# Allegro board 038RT-9068CJK8E-A100_0921_1.brd (continued)
## Routing (per net, layer and track width the routed paths; a pad name or vN(x,y) marks a point on that pad's centre or on a via; arc(x,y) is an arc through that point) (continued)
SH22_C_HSO+: length 4.1
  TOP w0.14: 228.77,428.55 228.77,429.73 227.44,431.06 227.44,431.62 UNK2HOST2.68
  TOP w0.15: 228.77,428.55 228.91,428.41 UNK2CH268.2
SH22_C_HSO-: length 4.1
  TOP w0.14: UNK2HOST2.67 227.05,431.62 227.05,430.89 228.38,429.57 228.38,428.55
  TOP w0.15: 228.38,428.55 228.24,428.41 UNK2CH267.2
SH22_C_P7_HSI+: length 5.2
  BOTTOM w0.14: UNK2CS114.1 244.54,248.16 244.68,248.02 247.64,248.02 247.89,248.27 249.22,248.27 UNK2K213.29
SH22_C_P7_HSI-: length 5.2
  BOTTOM w0.14: UNK2CS113.1 244.54,247.49 244.68,247.63 247.8,247.63 248.05,247.88 249.22,247.88 UNK2K213.28
SH22_CC1: length 7.2
  TOP w0.115: v2(217.99,444.06) 217.99,443.37 219.68,441.68 221.77,441.68 222.65,440.81 UNK2HOST2.30
SH22_CC2: length 7.3
  TOP w0.115: v2(216.72,444.06) 216.72,443.88 219.46,441.15 221.55,441.15 221.85,440.85 UNK2HOST2.32
SH22_D_GPIO_VBUS: length 10.9
  TOP w0.115: v2(219.86,449.12) 220.51,449.12 223.15,446.48 223.15,443.18 223.45,442.88 UNK2HOST2.28
  vias: v2(219.86,451.66)
SH22_D_SJTCLK: length 7.6
  TOP w0.115: UNK2HOST2.5 229.47,434.24 230.72,432.99 231.1,432.99 231.8,432.3 231.8,430.2 232.43,429.56 v2(232.94,429.56)
SH22_D_SJTDI: length 5.5
  TOP w0.115: UNK2HOST2.6 229.71,434.64 230.85,433.5 231.55,433.5 v2(232.94,432.1)
SH22_D_SJTDO: length 8.8
  TOP w0.115: UNK2HOST2.9 229.08,435.84 229.13,435.79 230.47,435.79 231.23,435.03 232.88,435.03 235.48,432.42 v2(235.48,432.1)
SH22_D_SJTMS: length 10.6
  TOP w0.115: UNK2HOST2.8 230.18,435.44 231.1,434.52 232.53,434.52 234.79,432.25 234.79,430.26 v2(235.48,429.56)
SH22_DEV_SLP: length 15.4
  BOTTOM w0.115: UNK2RH2262.2 222.15,451.02 222.15,453.83 221.08,454.9 216,454.9 UNK2RH2263.2
SH22_DIS_DB: length 1.3
  TOP w0.115: v2(223.39,438.95) 223.05,439.29 UNK2HOST2.29
SH22_GPIO8: length 37.2
  L05_SIGNAL w0.105: v2(238.02,430.83) 238.74,431.56 247.28,431.56 249.34,433.62 v2(249.34,458.39)
SH22_GPIO_VBUS: length 18.8
  L05_SIGNAL w0.105: v2(235.37,458.39) 227.37,450.39 v2(219.86,450.39)
SH22_ISOLATEBPIN: length 14
  TOP w0.115: v2(238.02,429.56) 237.35,430.24 237.35,432.46 233.77,436.04 231.48,436.04 231.04,436.49 229.7,436.49 229.15,437.04 UNK2HOST2.12
SH22_L_SWR_5TO1_OUT: length 29.1
  TOP w0.203: UNK2HOST2.2 229.39,433.04 230.26,432.18 230.26,431.21 229.88,430.83 v2(229.63,430.83)
  TOP w0.3: v2(223.67,430.58) 223.93,430.58 224.25,430.9 UNK2HOST2.60 ; UNK2HOST2.25 v2(224.65,438.95) ; UNK2HOST2.11 v2(227.35,436.64) ; UNK2HOST2.55 222.25,430.86 v2(222.53,430.58) ; v2(218.96,439.49) 219.32,439.49 219.76,439.04 UNK2HOST2.35 ; v2(225.2,429.82) 225.45,430.07 UNK2HOST2.63
  TOP w0.508: SH22_L_SWR_5TO1_OUT.1 247.71,439.49 242.89,434.68 240.65,434.68 v2(239.66,435.67)
  BOTTOM w0.292: UNK2CH2352.1 v2(218.96,439.49)
  BOTTOM w0.508: UNK2CH2552.1 222.67,430.44 v2(222.53,430.58) ; UNK2CH2602.1 223.91,430.34 v2(223.67,430.58)
  vias: v2(205.12,430.68) v2(206.39,430.68) v2(207.66,430.68) v2(215.72,441.63) v2(224.57,421.69) v2(224.57,420.93) v2(230.15,448.68) v2(239.66,436.43)
SH22_LANWAKEB: length 13.9
  TOP w0.115: UNK2HOST2.10 229.2,436.24 229.27,436.17 230.72,436.17 231.36,435.53 233.32,435.53 236.24,432.61 236.24,432.61 v2(236.75,432.1)
  BOTTOM w0.115: UNK2RH2103.2 237.39,430.41 237.39,431.47 237.89,431.97 ; UNK2RH2101.2 237.89,431.97 ; 237.89,431.97 UNK2RH2102.2
SH22_LDO_5TO3_OUT: length 21.8
  TOP w0.203: v2(229.63,431.98) 228.96,432.64 UNK2HOST2.1
  TOP w0.3: UNK2HOST2.34 221.05,439.01 v2(221.1,438.95) ; UNK2HOST2.52 v2(221.05,432.74) ; v2(218.96,437.84) 218.96,437.74 219.26,437.44 UNK2HOST2.39 ; UNK2HOST2.4 v2(227.35,433.84) ; UNK2HOST2.20 v2(226.65,438.95)
  TOP w0.508: SH22_LDO_5TO3_OUT.1 235.37,455.22 232.47,452.32 232.47,445.81 232.11,445.45 231.15,445.45 v2(230.15,446.46)
  BOTTOM w0.508: UNK2CH252.1 v2(221.05,432.74)
  vias: v2(215.72,439.6) v2(219.63,444.06) v2(219.86,452.93) v2(221.39,452.93) v2(222.91,452.93) v2(229.02,422.83) v2(232.65,425.41) v2(234.21,428.29) v2(236.75,428.29) v2(239.42,430.83) v2(240.94,430.83) v2(242.34,432.1) v2(243.1,432.1)
SH22_LED1: length 16.4
  BOTTOM w0.115: UNK2RH2272.2 220.62,451.02 220.62,453.77 220.13,454.27 214.09,454.27 UNK2RH2273.2
SH22_P7_CLKREQB: length 102.6
  TOP w0.115: v2(239.42,432.1) 234.97,436.55 231.55,436.55 231.29,436.8 229.89,436.8 229.25,437.44 UNK2HOST2.13
  L11_SIGNAL w0.102: 280.73,433.8 283.27,433.8 284.5,432.57 289.6,432.57 290.43,433.4
  L11_SIGNAL w0.105: UNK2K211.7 318.77,423.79 318.77,425.94 317.59,427.12 312.78,427.12 306.5,433.4 290.43,433.4 ; 280.73,433.8 277.5,433.8 276.33,432.63 258.63,432.63 257.13,434.14 247.22,434.14 246.1,433.02 240.33,433.02 v2(239.42,432.1)
SH22_P7_HSI+: length 221.7
  TOP w0.14: v1(243.53,248.41) 243.78,248.16 arc(243.94,248.05) 244.12,248.02 244.21,248.02 arc(244.31,248.06) 244.35,248.16 244.35,249.18 arc(244.33,249.3) 244.26,249.4 243.93,249.73 arc(243.82,249.8) 243.71,249.82 241.28,249.82 arc(241.01,249.88) 240.79,250.03 236.73,254.08 arc(236.63,254.15) 236.51,254.17 230.79,254.17 arc(230.67,254.15) 230.57,254.08 229.98,253.5 arc(229.75,253.35) 229.49,253.29 225.39,253.29 arc(225.13,253.35) 224.9,253.5 224.49,253.9 arc(224.39,253.97) 224.27,253.99 223.97,253.99 arc(223.7,254.05) 223.47,254.2 216.9,260.77 arc(216.62,261.19) 216.52,261.69 216.52,293.38 arc(216.66,294.08) 217.06,294.68 217.48,295.1 239.8,317.41 arc(239.86,317.51) 239.89,317.63 239.89,398.67 arc(239.77,399.24) 239.45,399.72 239.34,399.84 227.51,411.66 arc(227.36,411.89) 227.31,412.16 227.31,412.78 arc(227.28,412.9) 227.22,412.99 227.2,413.01 arc(227.13,413.12) 227.1,413.25 227.1,413.32 arc(227.13,413.45) 227.2,413.55 227.22,413.57 arc(227.28,413.67) 227.31,413.79 227.31,413.9 arc(227.28,414.02) 227.22,414.11 227.2,414.13 arc(227.12,414.26) 227.09,414.4 arc(227.12,414.55) 227.2,414.67 227.22,414.69 arc(227.28,414.79) 227.31,414.91 227.31,415.02 arc(227.28,415.14) 227.22,415.23 227.2,415.25 arc(227.12,415.38) 227.09,415.52 arc(227.12,415.67) 227.2,415.79 227.22,415.81 arc(227.28,415.91) 227.31,416.03 227.31,416.14 arc(227.28,416.26) 227.22,416.35 227.2,416.37 arc(227.12,416.5) 227.09,416.64 arc(227.12,416.79) 227.2,416.91 227.22,416.93 arc(227.28,417.03) 227.31,417.15 227.31,417.26 arc(227.28,417.38) 227.22,417.47 227.2,417.49 arc(227.12,417.62) 227.09,417.76 227.09,417.76 arc(227.12,417.91) 227.2,418.03 227.22,418.05 arc(227.28,418.15) 227.31,418.26 227.31,423.26 arc(227.28,423.38) 227.21,423.48 226.06,424.64 arc(225.9,424.87) 225.85,425.14 225.85,431.62 UNK2HOST2.64
SH22_P7_HSI-: length 221.7
  TOP w0.14: UNK2HOST2.65 226.24,431.62 226.24,425.14 arc(226.27,425.02) 226.33,424.92 227.49,423.76 arc(227.64,423.53) 227.7,423.26 227.7,412.16 arc(227.72,412.04) 227.79,411.94 239.73,400 arc(240.13,399.39) 240.28,398.67 240.28,317.63 arc(240.22,317.37) 240.07,317.14 217.76,294.83 217.34,294.4 arc(217.02,293.93) 216.91,293.38 216.91,261.69 arc(216.98,261.34) 217.18,261.05 223.75,254.48 arc(223.85,254.41) 223.97,254.38 224.27,254.38 arc(224.54,254.33) 224.77,254.18 225.17,253.77 arc(225.28,253.71) 225.39,253.68 229.49,253.68 arc(229.61,253.71) 229.71,253.77 230.29,254.36 arc(230.52,254.51) 230.79,254.56 236.51,254.56 arc(236.78,254.51) 237.01,254.36 241.06,250.3 arc(241.16,250.24) 241.28,250.21 243.71,250.21 arc(243.97,250.16) 244.2,250.01 244.53,249.67 arc(244.69,249.45) 244.74,249.18 244.74,248.16 arc(244.58,247.78) 244.21,247.63 244.19,247.63 arc(243.94,247.58) 243.74,247.44 v1(243.53,247.24)
SH22_P7_HSO+: length 227.3
  TOP w0.14: UNK2CH268.1 228.91,427.41 arc(228.81,427.37) 228.77,427.27 228.77,426.29 arc(228.82,426.03) 228.96,425.81 231.61,423.17 arc(231.8,422.88) 231.87,422.54 231.87,411.47 arc(231.89,411.35) 231.96,411.25 241.48,401.72 arc(241.99,400.97) 242.17,400.08 242.17,316.24 arc(242.11,315.97) 241.96,315.74 219.09,292.87 arc(219.02,292.77) 219,292.65 219,261.62 arc(219.02,261.5) 219.09,261.4 221.59,258.9 arc(221.69,258.83) 221.81,258.81 224.3,258.81 arc(224.56,258.75) 224.79,258.6 226.87,256.52 arc(226.97,256.45) 227.09,256.43 239,256.43 arc(239.26,256.38) 239.49,256.23 243.36,252.36 arc(243.46,252.29) 243.58,252.27 248.04,252.27 arc(248.31,252.22) 248.53,252.06 249.39,251.21 arc(249.54,250.98) 249.59,250.72 249.59,247.29 arc(249.54,247.02) 249.39,246.8 248.42,245.83 arc(248.19,245.68) 247.93,245.63 246.53,245.63 arc(246.45,245.61) 246.39,245.57 v1(246.31,245.49)
  BOTTOM w0.14: v1(246.31,245.49) 246.45,245.63 246.88,245.63 248.13,246.88 249.22,246.88 UNK2K213.26
SH22_P7_HSO-: length 227.3
  TOP w0.14: UNK2CH267.1 228.24,427.41 arc(228.34,427.37) 228.38,427.27 228.38,426.29 arc(228.46,425.88) 228.69,425.54 231.33,422.89 arc(231.44,422.73) 231.48,422.54 231.48,418.27 arc(231.46,418.16) 231.39,418.06 231.37,418.04 arc(231.31,417.94) 231.28,417.83 231.28,417.71 arc(231.31,417.6) 231.37,417.5 231.39,417.48 arc(231.46,417.38) 231.48,417.27 231.48,417.15 arc(231.46,417.04) 231.39,416.94 231.37,416.92 arc(231.3,416.81) 231.27,416.68 231.27,416.62 arc(231.3,416.49) 231.37,416.38 231.39,416.36 arc(231.46,416.27) 231.48,416.15 231.48,416.03 arc(231.46,415.92) 231.39,415.82 231.37,415.8 arc(231.29,415.68) 231.26,415.53 231.26,415.53 arc(231.29,415.39) 231.37,415.26 231.39,415.24 arc(231.46,415.15) 231.48,415.03 231.48,414.91 arc(231.46,414.8) 231.39,414.7 231.37,414.68 arc(231.29,414.56) 231.26,414.41 231.26,414.41 arc(231.29,414.27) 231.37,414.14 231.39,414.12 arc(231.46,414.03) 231.48,413.91 231.48,413.79 arc(231.46,413.68) 231.39,413.58 231.37,413.56 arc(231.26,413.29) 231.37,413.02 231.39,413 arc(231.46,412.91) 231.48,412.79 231.48,411.47 arc(231.53,411.2) 231.68,410.97 241.21,401.45 arc(241.63,400.82) 241.78,400.08 241.78,316.24 arc(241.75,316.12) 241.69,316.02 218.82,293.15 arc(218.66,292.92) 218.61,292.65 218.61,261.62 arc(218.66,261.35) 218.82,261.12 221.32,258.62 arc(221.54,258.47) 221.81,258.42 224.3,258.42 arc(224.41,258.39) 224.52,258.33 226.6,256.25 arc(226.82,256.09) 227.09,256.04 239,256.04 arc(239.12,256.02) 239.22,255.95 243.08,252.08 arc(243.31,251.93) 243.58,251.88 248.04,251.88 arc(248.16,251.86) 248.26,251.79 249.11,250.94 arc(249.18,250.83) 249.2,250.72 249.2,247.29 arc(249.18,247.17) 249.11,247.07 248.15,246.11 arc(248.05,246.04) 247.93,246.02 246.53,246.02 arc(246.45,246.03) 246.39,246.08 v1(246.31,246.15)
  BOTTOM w0.14: v1(246.31,246.15) 246.45,246.02 246.72,246.02 247.97,247.27 249.22,247.27 UNK2K213.27
SH22_P7_ISOLATEB: length 24.9
  L11_SIGNAL w0.105: UNK2K220.7 250.61,423.74 250.61,426.56 250.15,427.01 247.26,427.01 246.11,428.17 238.15,428.17 v2(238.02,428.29)
  BOTTOM w0.115: UNK2RS114.2 250.02,427.93 250.67,427.28 250.67,423.67 UNK2K220.7
SH22_P7_LANWAKEB: length 95.1
  L11_SIGNAL w0.105: v2(236.75,430.83) 237.39,430.2 237.39,427.48 237.59,427.28 240.72,427.28 243.08,424.92 243.08,416.43 243.89,415.62 310.96,415.62 312.33,416.99 312.33,420.7 UNK2K212.7
SH22_P7_PCIE_RESETB: length 39
  TOP w0.115: v2(240.94,432.1) 235.93,437.12 230.09,437.12 229.36,437.84 UNK2HOST2.14
  L11_SIGNAL w0.105: UNK2K221.7 256.65,423.9 256.65,428.8 255.82,429.63 248.63,429.63 246.69,431.57 241.48,431.57 v2(240.94,432.1)
SH22_P7_REFCLK_100M+: length 200.6
  TOP w0.105: v2(223.25,427.36) 223.4,427.5 223.4,429.41 224.65,430.65 UNK2HOST2.61
  L03_SIGNAL w0.136: v1(222.32,254.15) 222.26,254.09 arc(222.21,254.06) 222.16,254.05 221.06,254.05 arc(220.97,254.07) 220.9,254.12 219.37,255.64 arc(219.32,255.72) 219.3,255.8 219.3,291.99 arc(219.63,293.64) 220.57,295.05 236.2,310.68 arc(236.33,310.87) 236.38,311.1 236.38,403.49 arc(236.17,404.52) 235.59,405.39 227.39,413.59 arc(227.34,413.67) 227.32,413.75 227.32,425.25 arc(227.27,425.51) 227.12,425.73 224.56,428.29 arc(224.37,428.41) 224.15,428.46 223.99,428.46 arc(223.58,428.29) 223.41,427.87 223.41,427.61 223.4,427.54 arc(223.37,427.49) 223.34,427.44 v2(223.25,427.36)
  BOTTOM w0.105: v1(222.32,254.15) 222.42,254.05 223.98,254.05 226.23,251.8 227.05,251.8 UNK2K214.36
SH22_P7_REFCLK_100M-: length 200.6
  TOP w0.105: v2(224.01,427.36) 223.86,427.5 223.86,429.21 225.05,430.4 UNK2HOST2.62
  L03_SIGNAL w0.136: v1(222.32,253.49) 222.26,253.55 arc(222.21,253.59) 222.16,253.6 221.06,253.6 arc(220.8,253.65) 220.58,253.8 219.05,255.32 arc(218.9,255.54) 218.85,255.8 218.85,291.99 arc(219.21,293.82) 220.25,295.37 235.88,311 arc(235.91,311.05) 235.92,311.1 235.92,403.49 arc(235.75,404.35) 235.27,405.07 232.24,408.1 arc(232.16,408.15) 232.07,408.17 231.98,408.17 arc(231.84,408.2) 231.72,408.28 arc(231.65,408.4) 231.62,408.53 231.62,408.66 arc(231.61,408.72) 231.57,408.77 231.47,408.87 arc(231.39,408.92) 231.29,408.94 231.21,408.94 arc(231.07,408.97) 230.96,409.05 arc(230.88,409.16) 230.85,409.3 230.85,409.42 arc(230.84,409.49) 230.8,409.55 230.73,409.61 arc(230.62,409.68) 230.49,409.71 230.44,409.71 arc(230.3,409.74) 230.19,409.82 230.19,409.82 arc(230.11,409.93) 230.08,410.07 230.08,410.19 arc(230.07,410.26) 230.03,410.31 229.96,410.38 arc(229.85,410.45) 229.72,410.48 229.67,410.48 arc(229.53,410.51) 229.42,410.59 arc(229.34,410.7) 229.31,410.84 229.31,410.96 arc(229.3,411.02) 229.26,411.08 229.19,411.15 arc(229.08,411.22) 228.95,411.25 228.9,411.25 arc(228.77,411.28) 228.65,411.35 228.65,411.36 arc(228.57,411.47) 228.54,411.61 228.54,411.7 arc(228.52,411.79) 228.47,411.87 227.07,413.27 arc(226.92,413.49) 226.87,413.75 226.87,425.25 arc(226.85,425.33) 226.8,425.41 224.24,427.97 arc(224.2,428) 224.15,428.01 223.99,428.01 arc(223.9,427.97) 223.86,427.87 223.86,427.57 223.86,427.56 223.86,427.53 arc(223.88,427.5) 223.9,427.47 v2(224.01,427.36)
  BOTTOM w0.105: UNK2K214.35 227.05,251.34 226.04,251.34 223.79,253.59 222.42,253.59 v1(222.32,253.49)
SH22_RSET: length 1.3
  TOP w0.115: v2(218.96,431.99) 219.62,432.64 UNK2HOST2.51
SH22_RST_INPIN: length 9.1
  TOP w0.115: UNK2HOST2.3 229.7,433.44 231.16,431.98 231.16,428.33 v2(232.65,426.84)
SH22_SJTCLK: length 53.7
  L05_SIGNAL w0.105: v2(232.94,428.29) 232.94,427.86 233.67,427.13 248.73,427.13 252.01,430.42 252.54,430.42 259.5,437.37 v2(259.5,459.53)
SH22_SJTDI: length 53.2
  L05_SIGNAL w0.102: v2(232.94,430.83) 233.32,430.45
  L05_SIGNAL w0.105: 233.32,430.45 233.53,430.25 233.53,428.06 233.9,427.69 248.02,427.69 256.96,436.63 v2(256.96,459.53)
SH22_SJTDO/LED0: length 42.1
  L05_SIGNAL w0.105: v2(235.48,430.83) 236.15,430.16 247.05,430.16 251.1,434.21 251.1,451.42 251.88,452.2 v2(251.88,458.39)
SH22_SJTMS: length 46
  L05_SIGNAL w0.105: v2(235.48,428.29) 236.12,428.93 246.87,428.93 255.04,437.09 255.04,458.91 v2(254.42,459.53)
  BOTTOM w0.115: UNK2RH281.1 v2(235.48,428.29)
SH22_SPICK: length 54.5
  TOP w0.115: v2(254.42,450.31) UNK2SPIH21.6 ; UNK2HOST2.19 227.05,441.58 228.06,442.59 228.06,447.78 v2(226.72,449.12)
  L03_SIGNAL w0.145: v2(226.72,449.12) 226.72,451.91 230.83,456.03 247.36,456.03 250.31,453.07 255.2,453.07 255.52,452.76 255.52,452.22 255.18,451.88 253.02,451.88 252.58,451.45 252.58,450.67 252.93,450.32 254.41,450.32 v2(254.42,450.31)
SH22_SPICK_DBG: length 12.4
  BOTTOM w0.115: UNK2RH219.1 226.72,453.39 223.3,456.81 220.76,456.81 220.13,457.44 UNK2RH2192.2
SH22_SPICS: length 54.5
  TOP w0.115: v2(224.18,449.12) 225.52,447.78 225.52,443.1 225.05,442.62 UNK2HOST2.24 ; UNK2SPIH21.1 251.87,428.69 v2(252.15,428.41)
  L03_SIGNAL w0.145: v2(252.15,428.41) 242.09,438.47 236.78,438.47 229.68,445.58 228.7,445.58 227.92,446.36 226.94,446.36 v2(224.18,449.12)
SH22_SPICS_DBG: length 14.3
  BOTTOM w0.115: UNK2RH2241.1 224.18,453.39 222.03,455.54 217.9,455.54 UNK2RH2243.2
SH22_SPIO2: length 54.5
  TOP w0.115: v2(226.72,445.31) 227.43,444.6 227.43,442.72 226.25,441.54 UNK2HOST2.21 ; UNK2RH221.2 UNK2SPIH21.3
  L03_SIGNAL w0.145: v2(254.42,428.41) 253.37,427.36 249.82,427.36 247.29,429.9 247.29,431.33 244.34,434.28 231.43,434.28 228.77,436.94 228.77,438.24 227.28,439.74 227.28,442.24 227.67,442.64 227.67,444.36 v2(226.72,445.31)
SH22_SPIO3: length 54.5
  TOP w0.115: UNK2HOST2.22 225.85,441.9 226.72,442.77 v2(226.72,444.04) ; UNK2SPIH21.7 253.15,455.08 v2(253.15,455.08)
  L03_SIGNAL w0.145: v2(253.15,455.08) 253.15,454.5 252.6,453.96 250.9,453.96 247.8,457.06 230.18,457.06 223.56,450.43 223.56,447.21 v2(226.72,444.04)
SH22_SPISI: length 54.5
  TOP w0.115: v2(227.99,449.12) 228.7,448.41 228.7,442.47 227.45,441.21 UNK2HOST2.18 ; UNK2SPIH21.5 v2(255.69,450.31)
  L03_SIGNAL w0.145: v2(227.99,449.12) 227.99,450.98 231.89,454.88 246.31,454.88 250.56,450.63 250.56,446.73 251.51,445.78 254.97,445.78 255.69,446.49 v2(255.69,450.31)
SH22_SPISI_DBG: length 10.5
  BOTTOM w0.115: UNK2RH218.1 227.99,453.39 222.98,458.39 UNK2RH2182.2
SH22_SPISO: length 54.5
  TOP w0.115: UNK2SPIH21.2 253.14,433.12 v2(253.15,433.11) ; UNK2HOST2.23 225.45,442.26 226.09,442.91 226.09,448.48 v2(225.45,449.12)
  L03_SIGNAL w0.145: v2(253.15,433.11) 251.37,433.11 250.66,433.82 250.66,435.65 253.31,438.3 253.31,439.78 252.29,440.79 238.08,440.79 231.16,447.7 226.87,447.7 v2(225.45,449.12)
SH22_SPISO_DBG: length 13.1
  BOTTOM w0.115: UNK2RH223.1 225.45,453.39 222.67,456.17 219.81,456.17 UNK2RH2232.2
SH22_SWR_5TO1_OUT: length 2.7
  TOP w0.3: UNK2HOST2.16 231.1,438.64 v2(231.16,438.71)
  vias: v2(231.16,439.98) v2(232.43,439.98) v2(232.43,438.71)
SH22_TESTENPIN: length 9.8
  TOP w0.115: UNK2HOST2.7 229.94,435.04 230.97,434.01 231.99,434.01 233.9,432.1 v2(234.21,432.1)
  BOTTOM w0.115: UNK2RH272.2 234.08,431.97 233.58,431.47 233.58,430.41 UNK2RH271.2
SH22_USB_AVDD10: length 33.5
  TOP w0.292: 219.28,438.64 UNK2HOST2.36
  TOP w0.3: v2(218.96,433.26) 219.18,433.04 UNK2HOST2.50 ; v2(218.96,436.69) 219.32,437.04 UNK2HOST2.40
  TOP w0.381: 219,438.64 219.28,438.64
  TOP w0.508: 219,438.64 217.68,438.64 217.18,438.15 217.18,437.38 216.67,436.87 v2(216.32,436.87) 216.19,436.74 214.17,436.74 204.09,446.81 204.09,453.66 202.35,455.41 SH22_USB_AVDD10.1
SH22_XTAL_IN: length 6.4
  TOP w0.115: v2(218.28,428.68) 219.67,430.07 220.62,430.07 221.45,430.9 UNK2HOST2.53
  BOTTOM w0.115: v2(218.28,428.68) 218.28,427.88 UNK2YH21.3
SH22_XTAL_OUT: length 9.4
  TOP w0.115: v2(219.31,428.68) 220.07,429.44 220.75,429.44 221.85,430.53 UNK2HOST2.54
  BOTTOM w0.115: UNK2YH21.1 220.05,425.99 221.08,427.02 221.08,427.53 220.57,428.04 219.68,428.04 219.31,428.41 v2(219.31,428.68)
SH31_C_HSO+: length 4.1
  TOP w0.14: UNK3HOST1.68 467.24,431.62 467.24,431.06 468.56,429.73 468.56,428.55
  TOP w0.15: UNK3CH168.2 468.7,428.41 468.56,428.55
SH31_C_HSO-: length 4.1
  TOP w0.14: UNK3HOST1.67 466.85,431.62 466.85,430.89 468.17,429.57 468.17,428.55
  TOP w0.15: UNK3CH167.2 468.03,428.41 468.17,428.55
SH31_C_P6_HSI+: length 7.6
  BOTTOM w0.14: UNK3K213.38 447.51,249.17 448.29,249.17 448.43,249.03 448.43,246.93 449.44,245.92 452.06,245.92 452.2,245.78 UNK3CS104.1
SH31_C_P6_HSI-: length 7.6
  BOTTOM w0.14: UNK3CS103.1 452.2,246.45 452.06,246.31 449.6,246.31 448.82,247.09 448.82,249.19 448.45,249.56 447.51,249.56 UNK3K213.37
SH31_CC1: length 7.2
  TOP w0.115: UNK3HOST1.30 462.44,440.81 461.57,441.68 459.48,441.68 457.79,443.37 v2(457.79,444.06)
SH31_CC2: length 7.3
  TOP w0.115: v2(456.52,444.06) 456.52,443.88 459.25,441.15 461.34,441.15 461.64,440.85 UNK3HOST1.32
SH31_D_GPIO_VBUS: length 21.6
  TOP w0.115: v2(459.66,449.12) 460.3,449.12 462.95,446.48 462.95,443.18 463.24,442.88 UNK3HOST1.28
  L40_SIGNAL w0.105: v2(459.66,449.12) 455.85,449.12 455.28,449.69 455.28,451.09 455.85,451.66 v2(459.66,451.66)
SH31_D_SJTCLK: length 7.6
  TOP w0.115: v2(472.74,429.56) 472.23,429.56 471.6,430.2 471.6,432.3 470.9,432.99 470.52,432.99 469.27,434.24 UNK3HOST1.5
SH31_D_SJTDI: length 5.5
  TOP w0.115: UNK3HOST1.6 469.5,434.64 470.64,433.5 471.34,433.5 v2(472.74,432.1)
SH31_D_SJTDO: length 8.8
  TOP w0.115: UNK3HOST1.9 468.87,435.84 468.93,435.79 470.26,435.79 471.02,435.03 472.67,435.03 475.28,432.42 v2(475.28,432.1)
SH31_D_SJTMS: length 10.6
  TOP w0.115: v2(475.28,429.56) 474.58,430.26 474.58,432.25 472.32,434.52 470.9,434.52 469.97,435.44 UNK3HOST1.8
SH31_DEV_SLP: length 15.4
  BOTTOM w0.115: UNK3RH1263.2 455.79,454.9 460.87,454.9 461.94,453.83 461.94,451.02 UNK3RH1262.2
SH31_DIS_DB: length 1.3
  TOP w0.115: UNK3HOST1.29 462.84,439.29 v2(463.19,438.95)
SH31_GPIO8: length 33.4
  L05_SIGNAL w0.105: v2(477.82,430.83) 478.4,431.42 483.03,431.42 484.25,432.63 484.25,457.32 v2(485.32,458.39)
SH31_GPIO_VBUS: length 15
  L05_SIGNAL w0.105: v2(471.35,458.39) 463.35,450.39 v2(459.66,450.39)
SH31_ISOLATEBPIN: length 14
  TOP w0.115: UNK3HOST1.12 468.94,437.04 469.5,436.49 470.83,436.49 471.28,436.04 473.56,436.04 477.15,432.46 477.15,430.24 v2(477.82,429.56)
SH31_L_SWR_5TO1_OUT: length 29.1
  TOP w0.203: UNK3HOST1.2 469.19,433.04 470.05,432.18 470.05,431.21 469.68,430.83 v2(469.42,430.83)
  TOP w0.3: v2(464.99,429.82) 465.24,430.07 UNK3HOST1.63 ; UNK3HOST1.55 462.04,430.86 v2(462.32,430.58) ; UNK3HOST1.35 459.56,439.04 459.11,439.49 v2(458.76,439.49) ; UNK3HOST1.11 v2(467.15,436.64) ; v2(463.47,430.58) 463.72,430.58 464.04,430.9 UNK3HOST1.60 ; UNK3HOST1.25 v2(464.44,438.95)
  TOP w0.508: v2(479.45,435.67) 480.45,434.68 482.69,434.68 487.5,439.49 SH31_L_SWR_5TO1_OUT.1
  BOTTOM w0.292: UNK3CH1352.1 v2(458.76,439.49)
  BOTTOM w0.508: v2(462.32,430.58) 462.46,430.44 UNK3CH1552.1 ; UNK3CH1602.1 463.7,430.34 v2(463.47,430.58)
  vias: v2(444.91,430.68) v2(446.18,430.68) v2(447.45,430.68) v2(455.52,441.63) v2(464.37,421.69) v2(464.37,420.93) v2(469.94,448.68) v2(479.45,436.43)
SH31_LANWAKEB: length 13.9
  TOP w0.115: UNK3HOST1.10 468.99,436.24 469.07,436.17 470.52,436.17 471.15,435.53 473.12,435.53 476.04,432.61 476.04,432.61 v2(476.55,432.1)
  BOTTOM w0.115: 477.68,431.97 477.18,431.47 477.18,430.41 UNK3RH1103.2 ; 477.68,431.97 UNK3RH1102.2 ; 477.68,431.97 UNK3RH1101.2
SH31_LDO_5TO3_OUT: length 21.8
  TOP w0.203: UNK3HOST1.1 468.75,432.64 v2(469.42,431.98)
  TOP w0.3: UNK3HOST1.39 459.06,437.44 458.76,437.74 v2(458.76,437.84) ; UNK3HOST1.20 v2(466.44,438.95) ; v2(460.9,438.95) 460.84,439.01 UNK3HOST1.34 ; UNK3HOST1.52 v2(460.84,432.74) ; UNK3HOST1.4 v2(467.15,433.84)
  TOP w0.508: v2(469.94,446.46) 470.95,445.45 471.9,445.45 472.26,445.81 472.26,452.32 475.16,455.22 SH31_LDO_5TO3_OUT.1
  BOTTOM w0.508: UNK3CH152.1 v2(460.84,432.74)
  vias: v2(455.52,439.6) v2(459.43,444.06) v2(459.66,452.93) v2(461.18,452.93) v2(462.71,452.93) v2(468.81,422.83) v2(472.45,425.41) v2(474.01,428.29) v2(476.55,428.29) v2(479.22,430.83) v2(480.74,430.83) v2(482.14,432.1) v2(482.9,432.1)
SH31_LED1: length 16.4
  BOTTOM w0.115: UNK3RH1273.2 453.89,454.27 459.92,454.27 460.42,453.77 460.42,451.02 UNK3RH1272.2
SH31_P6_CLKREQB: length 33.7
  TOP w0.115: v2(479.22,432.1) 474.77,436.55 471.34,436.55 471.09,436.8 469.69,436.8 469.05,437.44 UNK3HOST1.13
  L11_SIGNAL w0.105: v2(479.22,432.1) 479.77,431.55 485.15,431.55 490.41,426.29 490.41,424.63 491.29,423.75 493.4,423.75 UNK3K211.2
SH31_P6_HSI+: length 192.3
  TOP w0.14: v1(453.2,245.53) 452.99,245.74 arc(452.79,245.87) 452.55,245.92 452.49,245.92 arc(452.11,246.08) 451.96,246.45 451.96,247.01 arc(452.01,247.28) 452.16,247.5 455.28,250.62 arc(455.35,250.73) 455.37,250.84 455.37,396.58 arc(455.52,397.34) 455.95,397.98 462.51,404.54 arc(462.66,404.77) 462.71,405.04 462.71,423.46 arc(462.77,423.72) 462.92,423.95 465.56,426.59 arc(465.62,426.69) 465.65,426.81 465.65,431.62 UNK3HOST1.64
SH31_P6_HSI-: length 192.3
  TOP w0.14: UNK3HOST1.65 466.04,431.62 466.04,426.81 arc(465.98,426.54) 465.83,426.31 463.2,423.68 arc(463.13,423.57) 463.1,423.46 463.1,417.05 arc(463.13,416.93) 463.19,416.84 463.21,416.82 arc(463.29,416.69) 463.32,416.55 arc(463.29,416.4) 463.21,416.28 463.19,416.26 arc(463.13,416.16) 463.1,416.05 463.1,415.93 arc(463.13,415.81) 463.19,415.72 463.21,415.7 arc(463.29,415.57) 463.32,415.43 463.32,415.43 arc(463.29,415.28) 463.21,415.16 463.19,415.14 arc(463.13,415.04) 463.1,414.93 463.1,414.81 arc(463.13,414.69) 463.19,414.6 463.21,414.58 arc(463.29,414.45) 463.32,414.31 463.32,414.31 arc(463.29,414.16) 463.21,414.04 463.19,414.02 arc(463.13,413.92) 463.1,413.81 463.1,413.69 arc(463.13,413.57) 463.19,413.48 463.21,413.46 arc(463.29,413.33) 463.32,413.19 arc(463.29,413.04) 463.21,412.92 463.19,412.9 arc(463.13,412.8) 463.1,412.69 463.1,412.57 arc(463.13,412.45) 463.19,412.36 463.21,412.34 arc(463.29,412.23) 463.31,412.09 463.31,412.04 arc(463.29,411.91) 463.21,411.8 463.19,411.78 arc(463.13,411.68) 463.1,411.57 463.1,405.04 arc(463.02,404.62) 462.78,404.26 459.4,400.88 456.23,397.7 arc(455.88,397.19) 455.76,396.58 455.76,250.84 arc(455.71,250.58) 455.56,250.35 452.44,247.23 arc(452.37,247.13) 452.35,247.01 452.35,246.45 arc(452.39,246.35) 452.49,246.31 452.59,246.31 arc(452.79,246.35) 452.96,246.47 v1(453.2,246.7)
SH31_P6_HSO+: length 204
  TOP w0.14: v1(450.42,248.45) 450.34,248.37 arc(450.28,248.33) 450.2,248.31 449.45,248.31 arc(449.05,248.15) 448.89,247.75 448.89,246.05 arc(448.94,245.79) 449.1,245.56 450.6,244.05 arc(450.83,243.9) 451.1,243.85 453.98,243.85 arc(454.25,243.9) 454.48,244.05 457.47,247.05 arc(457.62,247.27) 457.68,247.54 457.68,391.45 arc(457.79,392.03) 458.12,392.53 466.9,401.31 arc(467.21,401.77) 467.32,402.31 467.32,424.09 arc(467.34,424.21) 467.41,424.31 468.36,425.26 arc(468.51,425.49) 468.56,425.76 468.56,427.19 arc(468.58,427.27) 468.62,427.33 468.64,427.35 arc(468.71,427.4) 468.79,427.41 UNK3CH168.1
  BOTTOM w0.14: v1(450.42,248.45) 450.28,248.31 449.95,248.31 449.61,248.65 449.61,249.53 448.57,250.56 447.51,250.56 UNK3K213.35
